# KiCad board 8851_HW-U1-VCU118_REV2-0_071417.kicad_pcb (continued)
## Routing (per net, layer and track width the routed paths; a pad name or vN(x,y) marks a point on that pad's centre or on a via; arc(x,y) is an arc through that point) (continued)
FMCP_HSPC_HA07_P: length 186.6
  TOP w0.102: J22.J9 v3(95.25,165.75) ; v2(113.42,54.96) 113.91,55.46
  18_SIG6 w0.075: 123.29,88.85 123.26,88.85 123.22,88.9 123.1,88.9 122.76,88.55 122.76,88.06 122.89,87.93 122.89,86 122.85,85.96 122.85,83.28 122.89,83.24 122.89,80.93 122.87,80.91 122.87,72.38 122.58,72.09 118.17,72.09 117.95,71.87 117.95,55.69 117.62,55.36 113.13,55.36 113.04,55.26 113.04,55.08 113.15,54.96 v2(113.42,54.96)
  18_SIG6 w0.087: 123.29,88.85 123.75,88.85 124.33,89.43 124.33,101.74 124.56,101.97 124.56,105.83 125.58,106.84 125.58,107.6 124.68,108.5 124.68,125.52 120.62,129.58 120.62,131.27 121,131.65 121,135.11 120.71,135.4 119.85,135.4 119.72,135.53 119.72,136.06 119.85,136.19 120.71,136.19 121,136.49 121,136.89 119.45,138.45 113.06,138.45 112.88,138.62 112.88,140.53 112.59,140.83 111.85,140.83 111.72,140.96 111.72,141.49 111.85,141.62 112.59,141.62 112.88,141.92 112.88,142.67 112.59,142.97 111.85,142.97 111.72,143.1 111.72,143.63 111.85,143.76 112.59,143.76 112.88,144.06 112.88,144.81 112.59,145.11 111.85,145.11 111.72,145.24 111.72,145.77 111.85,145.9 112.59,145.9 112.88,146.2 112.88,156.64 112.53,156.99 111.93,156.99 111.57,156.63 111.57,148.16 110.19,146.78 105.22,146.78 105.09,146.91 105.09,149.32 104.79,149.62 104.03,149.62 103.74,149.32 103.74,146.91 103.61,146.78 103.08,146.78 102.95,146.91 102.95,149.32 102.65,149.62 101.89,149.62 101.6,149.32 101.6,146.91 101.47,146.78 100.66,146.78 100.23,147.2 100.23,148.64 99.2,149.67 96.96,149.67 96.01,150.62 96.01,161.15 95.64,161.51 95.05,161.51 94.76,161.8 94.76,165.26 v3(95.25,165.75)
FMCP_HSPC_HA08_N: length 183.7
  TOP w0.102: v2(108.5,52.01) 108.99,52.5 ; J22.F11 v3(92.75,162)
  20_SIG7 w0.075: v2(108.5,52.01) 108.74,52.01 108.85,52.12 108.85,52.35 109.11,52.61 112.01,52.61 117.52,52.61 117.75,52.84 117.75,52.92 117.75,52.92 117.75,72.92 118.1,73.27 121.45,73.27 121.69,73.51 121.69,73.67 121.69,73.67 121.69,76.88 122.02,77.21 131.31,77.21 131.55,77.45 131.55,85.16 131.51,85.19 131.51,87.84 131.55,87.87 131.55,88.32 131.49,88.38
  20_SIG7 w0.087: 131.49,88.38 131.49,89.58 134.83,92.92 134.83,99.45 135.68,100.29 135.68,107.66 134.32,109.01 134.32,111.28 135.28,112.24 135.28,124.14 136.02,124.89 136.02,129.92 133.33,132.62 133.33,138.73 124.31,147.74 109.03,147.74 108.66,148.11 108.66,149.33 108.53,149.46 108,149.46 107.87,149.33 107.87,148.11 107.58,147.82 106.82,147.82 106.52,148.11 106.52,149.39 106.39,149.52 105.86,149.52 105.73,149.39 105.73,148.11 105.44,147.82 104.59,147.82 102.23,150.18 96.77,150.18 96.54,150.41 96.54,151.62 96.45,151.71 96.19,151.71 96.08,151.61 96.08,150.42 95.84,150.18 95.34,150.18 95.1,150.42 95.1,152.28 95.01,152.36 94.75,152.36 94.66,152.28 94.66,150.42 94.41,150.18 93.54,150.18 93.24,150.48 93.24,161.8 93.03,162 v3(92.75,162)
FMCP_HSPC_HA08_P: length 183.6
  TOP w0.102: v2(109.49,52.01) 109.98,52.5 ; J22.F10 v3(94,162)
  20_SIG7 w0.075: 131.77,88.38 131.75,88.35 131.75,87.79 131.71,87.76 131.71,85.27 131.75,85.24 131.75,77.37 131.39,77.02 122.1,77.02 121.89,76.8 121.89,73.43 121.53,73.07 118.18,73.07 117.95,72.84 117.95,53 117.95,52.76 117.6,52.41 111.93,52.41 109.19,52.41 109.05,52.27 109.05,52.12 109.16,52.01 v2(109.49,52.01)
  20_SIG7 w0.087: v3(94,162) 93.51,161.51 93.51,150.59 93.65,150.45 94.3,150.45 94.38,150.54 94.38,152.39 94.63,152.64 95.12,152.64 95.37,152.39 95.37,150.54 95.46,150.45 95.72,150.45 95.81,150.54 95.81,151.72 96.07,151.98 96.56,151.98 96.81,151.73 96.81,150.52 96.88,150.45 102.34,150.45 104.7,148.09 105.32,148.09 105.45,148.22 105.45,149.5 105.75,149.79 106.51,149.79 106.8,149.5 106.8,148.22 106.93,148.09 107.46,148.09 107.59,148.22 107.59,149.44 107.89,149.74 108.65,149.74 108.94,149.44 108.94,148.22 109.14,148.02 124.42,148.02 133.6,138.84 133.6,132.73 136.3,130.03 136.3,124.77 135.56,124.03 135.56,112.13 134.6,111.17 134.6,109.13 135.95,107.77 135.95,100.17 135.11,99.33 135.11,92.8 131.77,89.47 131.77,88.38
FMCP_HSPC_HA09_N: length 188
  TOP w0.102: v2(110.47,54.96) 110.96,55.46 ; J22.E10 v3(94,160.75)
  18_SIG6 w0.075: 121.64,88.2 121.64,88.19 121.67,88.15 121.67,85.86 121.7,85.82 121.7,83.27 121.67,83.24 121.67,81.16 121.69,81.14 121.69,73.49 121.48,73.27 117.06,73.27 116.73,72.94 116.73,57.21 116.06,56.54 112.17,56.54 111.85,56.22 111.85,55.64 111.74,55.54 111.17,55.54 110.97,55.33 110.97,55.04 110.89,54.96 v2(110.47,54.96)
  18_SIG6 w0.087: v3(94,160.75) 94.06,160.81 94.34,160.81 94.49,160.66 94.49,150.47 93.54,149.53 90.32,149.53 89.94,149.15 89.94,148.45 90.4,147.99 96.12,147.99 96.64,147.47 96.64,147.28 96.2,146.83 96.2,146.42 97.03,145.58 97.88,145.58 98.17,145.87 98.17,148.21 98.3,148.35 98.83,148.35 98.97,148.21 98.97,145.87 99.26,145.58 103.82,145.58 103.96,145.44 103.96,143.08 104.25,142.78 105.01,142.78 105.3,143.08 105.3,145.44 105.43,145.58 105.96,145.58 106.1,145.44 106.1,140.52 106.41,140.21 107.16,140.21 107.44,140.48 107.44,145.44 107.57,145.58 108.1,145.58 108.24,145.44 108.24,140.52 108.49,140.27 109.24,140.27 109.58,140.61 109.58,145.44 109.71,145.58 110.29,145.58 110.49,145.38 110.49,140.18 111.09,139.58 111.09,136.2 116.71,130.58 117.12,130.58 118.97,132.43 119.24,132.43 119.56,132.11 119.56,131.89 117.69,130.02 117.69,129.6 118.22,129.07 118.64,129.07 118.97,129.4 119.16,129.4 119.53,129.03 119.53,128.84 119.2,128.5 119.2,128.09 119.73,127.55 120.15,127.55 120.48,127.89 120.67,127.89 121.05,127.51 121.05,127.33 120.71,126.99 120.71,126.58 121.25,126.04 121.66,126.04 122,126.37 122.19,126.37 123.45,125.11 123.45,107.96 123.92,107.49 123.92,106.95 123.42,106.45 123.42,102.52 123.09,102.19 123.09,90.13 121.64,88.67 121.64,88.2
FMCP_HSPC_HA09_P: length 187.5
  TOP w0.102: J22.E9 v3(95.25,160.75) ; v2(111.45,54.96) 111.95,55.46
  18_SIG6 w0.075: 121.91,88.2 121.91,88.17 121.87,88.13 121.87,85.94 121.9,85.9 121.9,83.19 121.87,83.16 121.87,81.24 121.89,81.22 121.89,73.41 121.56,73.08 117.14,73.08 116.93,72.86 116.93,57.13 116.14,56.34 112.25,56.34 112.04,56.13 112.04,55.56 111.82,55.34 111.25,55.34 111.16,55.25 111.16,55.06 111.26,54.96 v2(111.45,54.96)
  18_SIG6 w0.087: v3(95.25,160.75) 94.76,160.26 94.76,150.36 93.66,149.25 90.43,149.25 90.21,149.03 90.21,148.57 90.52,148.26 96.24,148.26 96.92,147.58 96.92,147.17 96.47,146.72 96.47,146.53 97.15,145.85 97.76,145.85 97.9,145.98 97.9,148.33 98.19,148.62 98.95,148.62 99.24,148.33 99.24,145.98 99.37,145.85 103.94,145.85 104.23,145.56 104.23,143.19 104.36,143.06 104.89,143.06 105.03,143.19 105.03,145.56 105.32,145.85 106.08,145.85 106.37,145.56 106.37,140.63 106.52,140.48 107.05,140.48 107.17,140.6 107.17,145.56 107.46,145.85 108.22,145.85 108.51,145.56 108.51,140.64 108.6,140.55 109.13,140.55 109.31,140.73 109.31,145.56 109.6,145.85 110.4,145.85 110.76,145.49 110.76,140.29 111.37,139.69 111.37,136.31 116.82,130.85 117.01,130.85 118.86,132.71 119.35,132.71 119.83,132.22 119.83,131.78 117.96,129.9 117.96,129.72 118.34,129.34 118.52,129.34 118.86,129.68 119.27,129.68 119.81,129.14 119.81,128.73 119.47,128.39 119.47,128.2 119.85,127.83 120.04,127.83 120.37,128.16 120.79,128.16 121.32,127.63 121.32,127.21 120.99,126.88 120.99,126.69 121.36,126.31 121.55,126.31 121.88,126.65 122.3,126.65 123.72,125.23 123.72,108.08 124.2,107.6 124.2,106.84 123.7,106.34 123.7,102.41 123.37,102.08 123.37,90.02 121.91,88.56 121.91,88.2
FMCP_HSPC_HA10_N: length 189.6
  TOP w0.102: J22.K14 v3(89,167) ; v2(109.49,56.93) 109.98,57.42 109.98,57.42
  18_SIG6 w0.075: 119.67,88.25 119.67,88.23 119.7,88.2 119.7,85.91 119.74,85.88 119.74,83.28 119.7,83.24 119.7,81.06 119.72,81.04 119.72,75.42 119.54,75.24 115.13,75.24 114.8,74.9 114.8,58.72 114.59,58.5 110.17,58.5 109.88,58.21 109.88,57.33 v2(109.49,56.93)
  18_SIG6 w0.087: 119.67,88.25 119.67,89.28 121.28,90.88 121.28,101.19 120.36,102.1 120.36,103.05 121.02,103.71 121.02,105.19 120.88,105.32 120.52,105.32 120.22,105.61 120.22,106.37 120.52,106.66 120.88,106.66 121.02,106.8 121.02,107.33 120.45,107.89 120.45,108.74 121.6,109.89 121.6,122.31 120.51,123.4 120.51,124.12 115.54,129.09 114.29,129.09 99.72,143.66 96.42,143.66 94.08,146 75.98,146 75.5,146.48 75.5,147.58 75.12,147.95 74.75,147.95 74.46,148.24 74.46,148.76 74.33,148.9 73.93,148.9 73.8,148.76 73.8,148.24 73.5,147.95 72.7,147.95 72.33,148.32 72.33,149.11 74.75,151.53 75.62,151.53 75.91,151.23 75.91,149.28 76.04,149.15 76.57,149.15 76.71,149.28 76.71,151.23 77,151.53 77.76,151.53 78.05,151.23 78.05,149.28 78.18,149.15 78.71,149.15 78.85,149.28 78.85,151.23 79.23,151.62 91.73,151.62 91.99,151.88 91.99,163.46 91.71,163.74 89.83,163.74 89.49,164.08 89.49,166.51 v3(89,167)
FMCP_HSPC_HA10_P: length 190
  TOP w0.102: 110.96,57.42 110.96,57.42 v2(110.47,56.93) ; J22.K13 v3(90.25,167)
  18_SIG6 w0.075: v2(110.47,56.93) 110.16,56.93 110.07,57.02 110.07,58.13 110.25,58.31 114.67,58.31 114.99,58.64 114.99,74.82 115.21,75.04 119.62,75.04 119.92,75.34 119.92,81.13 119.9,81.15 119.9,83.16 119.94,83.2 119.94,85.96 119.9,85.99 119.9,88.18 119.95,88.23 119.95,88.25
  18_SIG6 w0.087: 119.95,88.25 119.95,89.17 121.55,90.77 121.55,101.3 120.64,102.22 120.64,102.94 121.29,103.59 121.29,105.3 121,105.59 120.63,105.59 120.5,105.73 120.5,106.26 120.63,106.39 121,106.39 121.29,106.68 121.29,107.44 120.72,108.01 120.72,108.62 121.88,109.77 121.88,122.43 120.78,123.52 120.78,124.24 115.65,129.37 114.4,129.37 99.84,143.94 96.53,143.94 94.19,146.27 76.09,146.27 75.78,146.59 75.78,147.69 75.24,148.23 74.87,148.23 74.73,148.36 74.73,148.88 74.44,149.17 73.81,149.17 73.52,148.88 73.52,148.36 73.39,148.23 72.81,148.23 72.61,148.43 72.61,148.99 74.86,151.25 75.5,151.25 75.64,151.12 75.64,149.17 75.93,148.88 76.69,148.88 76.98,149.17 76.98,151.12 77.11,151.25 77.64,151.25 77.78,151.12 77.78,149.17 78.07,148.88 78.83,148.88 79.12,149.17 79.12,151.12 79.34,151.34 91.84,151.34 92.26,151.76 92.26,163.58 91.83,164.01 89.94,164.01 89.76,164.19 89.76,166.87 89.89,167 v3(90.25,167)
FMCP_HSPC_HA11_N: length 188.6
  TOP w0.102: J22.J13 v3(90.25,165.75) ; v2(106.53,52.99) 107.02,53.49
  20_SIG7 w0.075: 133.73,88.07 133.68,88.03 133.68,85.21 133.72,85.17 133.72,82.98 133.7,82.96 133.7,75.36 133.39,75.05 124.04,75.05 123.85,74.86 123.85,71.42 123.54,71.11 120.14,71.11 119.92,70.89 119.92,50.77 119.58,50.44 107.2,50.44 106.93,50.71 106.93,52.6 v2(106.53,52.99)
  20_SIG7 w0.087: 133.73,88.07 133.73,88.91 136.99,92.17 136.99,98.45 137.99,99.45 137.99,108.05 139.6,109.66 139.6,111.99 139.26,112.32 139.26,122 140.73,123.47 140.73,128.28 135.67,133.34 135.67,139.22 125.14,149.74 118.81,149.74 116.06,152.49 100.16,152.49 99.76,152.89 99.76,163.54 99.28,164.01 92.5,164.01 92.26,164.26 92.26,166.16 91.91,166.51 91.01,166.51 v3(90.25,165.75)
FMCP_HSPC_HA11_P: length 188.2
  TOP w0.102: J22.J12 v3(91.5,165.75) ; v2(107.52,52.99) 108.01,53.49
  20_SIG7 w0.075: 133.45,88.07 133.45,88.06 133.48,88.03 133.48,85.13 133.52,85.09 133.52,83.06 133.5,83.04 133.5,75.44 133.31,75.24 123.96,75.24 123.66,74.94 123.66,71.5 123.46,71.31 120.06,71.31 119.72,70.97 119.72,50.85 119.5,50.63 107.28,50.63 107.12,50.79 107.12,52.99 107.25,53.12 107.39,53.12 v2(107.52,52.99)
  20_SIG7 w0.087: v3(91.5,165.75) 91.22,165.48 91,165.48 90.9,165.58 90.9,166.01 91.13,166.24 91.79,166.24 91.99,166.05 91.99,164.14 92.39,163.74 99.17,163.74 99.49,163.42 99.49,152.77 100.05,152.21 115.95,152.21 118.69,149.47 125.02,149.47 135.39,139.1 135.39,133.23 140.46,128.16 140.46,123.59 138.99,122.12 138.99,112.21 139.33,111.87 139.33,109.78 137.72,108.17 137.72,99.57 136.71,98.56 136.71,92.28 133.45,89.02 133.45,88.07
FMCP_HSPC_HA12_N: length 189.2
  TOP w0.102: v2(108.5,55.95) 108.99,56.44 ; J22.F14 v3(89,162)
  18_SIG6 w0.075: v2(108.5,55.95) 108.5,56.26 108.59,56.35 108.84,56.35 109.09,56.6 109.09,59.09 109.3,59.29 113.69,59.29 114.01,59.61 114.01,75.84 114.2,76.03 118.63,76.03 118.95,76.35 118.95,83.22 118.92,83.25 118.92,85.9 118.95,85.93 118.95,88.1 118.99,88.13 118.99,88.16
  18_SIG6 w0.087: v3(89,162) 89.76,162.76 90.58,162.76 91,162.34 91,162.33 91.01,162.32 91.01,152.76 90.5,152.25 74.28,152.25 70.23,148.2 70.23,145.48 70.47,145.24 71.13,145.24 71.3,145.41 71.3,147.08 71.6,147.38 72.36,147.38 72.64,147.1 72.64,145.41 72.78,145.28 73.31,145.28 73.44,145.41 73.44,147.03 73.74,147.33 74.5,147.33 74.78,147.04 74.78,145.5 74.92,145.36 93.87,145.36 96.22,143.01 99.54,143.01 114.11,128.44 115.21,128.44 119.72,123.93 119.72,122.37 119.81,122.28 120.21,122.28 120.58,121.92 120.58,121.54 120.25,121.21 119.81,121.21 119.72,121.12 119.72,120.77 119.81,120.68 120.48,120.68 120.72,120.43 120.72,119.86 120.48,119.61 119.81,119.61 119.72,119.52 119.72,119.17 119.81,119.08 120.48,119.08 120.72,118.83 120.72,118.26 120.48,118.01 119.81,118.01 119.72,117.92 119.72,116.85 120.58,116 120.58,109.85 119.58,108.85 119.58,101.51 120.2,100.88 120.2,99.79 119.53,99.12 119.53,98.54 120.2,97.87 120.2,96.09 120.46,95.83 120.46,91.08 118.99,89.61 118.99,88.16 118.99,88.16
FMCP_HSPC_HA12_P: length 188.4
  TOP w0.102: v2(108.5,56.93) 108.99,57.42 108.99,57.42 ; J22.F13 v3(90.25,162)
  18_SIG6 w0.075: v2(108.5,56.93) 108.5,56.62 108.58,56.55 108.76,56.55 108.9,56.68 108.9,59.17 109.22,59.49 113.61,59.49 113.82,59.69 113.82,75.92 114.12,76.22 118.55,76.22 118.76,76.43 118.76,83.14 118.72,83.17 118.72,85.98 118.76,86.01 118.76,88.11 118.71,88.15
  18_SIG6 w0.087: 118.71,88.15 118.71,88.15 118.71,89.73 120.18,91.2 120.18,95.72 119.93,95.97 119.93,97.76 119.23,98.45 119.23,99.21 119.93,99.91 119.93,100.77 119.3,101.39 119.3,108.97 120.3,109.96 120.3,115.89 119.45,116.74 119.45,118.03 119.7,118.28 120.36,118.28 120.45,118.37 120.45,118.72 120.36,118.81 119.7,118.81 119.45,119.06 119.45,119.63 119.7,119.88 120.36,119.88 120.45,119.97 120.45,120.32 120.36,120.41 119.7,120.41 119.45,120.66 119.45,121.23 119.7,121.48 120.13,121.48 120.3,121.65 120.3,121.81 120.1,122.01 119.7,122.01 119.45,122.26 119.45,123.81 115.1,128.16 114,128.16 99.42,142.74 96.11,142.74 93.76,145.08 74.81,145.08 74.51,145.38 74.51,146.93 74.38,147.06 73.85,147.06 73.71,146.92 73.71,145.29 73.42,145 72.66,145 72.37,145.29 72.37,146.98 72.25,147.11 71.72,147.11 71.57,146.97 71.57,145.29 71.25,144.97 70.35,144.97 69.95,145.37 69.95,148.31 74.16,152.53 90.39,152.53 90.74,152.88 90.74,162.2 90.73,162.21 90.73,162.23 90.46,162.49 89.88,162.49 89.62,162.24 89.62,162.08 89.7,162 v3(90.25,162)
FMCP_HSPC_HA13_N: length 184.1
  TOP w0.102: v2(109.49,52.99) 109.98,53.49 ; J22.E13 v3(90.25,160.75)
  20_SIG7 w0.075: 130.78,88.3 130.75,88.27 130.75,87.87 130.76,87.86 130.76,85.78 130.73,85.74 130.73,78.3 130.42,78 121.13,78 120.9,77.77 120.9,74.39 120.57,74.06 117.2,74.06 117.19,74.05 117.18,74.05 116.73,73.6 116.73,73.52 116.73,54.2 115.92,53.39 109.88,53.39 v2(109.49,52.99)
  20_SIG7 w0.087: 130.78,88.3 130.78,89.83 134.19,93.24 134.19,99.84 135.07,100.72 135.07,107.12 133.29,108.91 133.29,111.21 134.38,112.3 134.38,124.57 135.25,125.43 135.25,126.52 134.35,127.41 134.35,128.8 134.75,129.2 134.75,130.19 129.33,135.61 129.33,141.82 126.66,144.49 125.64,144.49 123,147.13 117.71,147.13 117.41,146.83 117.41,146.33 117.28,146.19 116.75,146.19 116.62,146.33 116.62,146.83 116.32,147.13 104.3,147.13 102.93,148.5 101.48,148.5 101.35,148.63 101.35,149.18 101.05,149.48 100.43,149.48 100.13,149.18 100.13,148.63 100,148.5 99.6,148.5 99.47,148.63 99.47,149.18 99.18,149.48 98.55,149.48 98.26,149.18 98.26,148.63 98.13,148.5 97.73,148.5 97.6,148.63 97.6,149.18 97.3,149.48 96.68,149.48 96.38,149.18 96.38,148.63 96.25,148.5 95.85,148.5 95.72,148.63 95.72,149.18 95.43,149.48 94.8,149.48 94.51,149.18 94.51,148.63 94.38,148.5 93.98,148.5 93.85,148.63 93.85,149.18 93.55,149.48 92.93,149.48 92.63,149.18 92.63,148.63 92.5,148.5 92.28,148.5 91.23,149.55 91.23,149.74 92.38,150.88 92.38,151.3 91.93,151.74 91.52,151.74 90.37,150.59 90.18,150.59 89.76,151.01 89.76,161.05 89.96,161.24 90.62,161.24 90.9,160.97 90.9,160.85 90.8,160.75 v3(90.25,160.75)
FMCP_HSPC_HA13_P: length 184
  TOP w0.102: J22.E12 v3(91.5,160.75) ; v2(110.47,53.98) 110.96,54.47
  20_SIG7 w0.075: v2(110.47,53.98) 110.25,53.98 110.17,53.9 110.17,53.66 110.25,53.58 115.84,53.58 116.53,54.28 116.53,73.43 116.53,73.68 117.1,74.25 117.11,74.25 117.12,74.25 120.49,74.25 120.71,74.47 120.71,77.86 121.05,78.2 130.34,78.2 130.53,78.39 130.53,85.82 130.57,85.86 130.57,87.78 130.55,87.79 130.55,88.25 130.5,88.3
  20_SIG7 w0.087: 130.5,88.3 130.5,89.94 133.92,93.36 133.92,99.95 134.8,100.84 134.8,107.01 133.01,108.8 133.01,111.32 134.11,112.41 134.11,124.68 134.97,125.55 134.97,126.4 134.07,127.3 134.07,128.91 134.47,129.31 134.47,130.08 129.05,135.5 129.05,141.7 126.54,144.21 125.53,144.21 122.89,146.85 117.82,146.85 117.69,146.72 117.69,146.21 117.39,145.92 116.64,145.92 116.34,146.21 116.34,146.72 116.21,146.85 104.19,146.85 102.81,148.23 101.36,148.23 101.07,148.52 101.07,149.07 100.94,149.2 100.54,149.2 100.41,149.07 100.41,148.52 100.11,148.23 99.49,148.23 99.2,148.52 99.2,149.07 99.06,149.2 98.67,149.2 98.53,149.07 98.53,148.52 98.24,148.23 97.61,148.23 97.32,148.52 97.32,149.07 97.19,149.2 96.79,149.2 96.66,149.07 96.66,148.52 96.36,148.23 95.74,148.23 95.45,148.52 95.45,149.07 95.31,149.2 94.92,149.2 94.78,149.07 94.78,148.52 94.49,148.23 93.86,148.23 93.57,148.52 93.57,149.07 93.44,149.2 93.04,149.2 92.91,149.07 92.91,148.52 92.61,148.23 92.16,148.23 90.95,149.43 90.95,149.85 92.1,151 92.1,151.19 91.82,151.47 91.63,151.47 90.48,150.32 90.07,150.32 89.49,150.9 89.49,161.16 89.84,161.51 90.74,161.51 v3(91.5,160.75)
FMCP_HSPC_HA14_N: length 185
  TOP w0.102: v2(103.58,52.01) 104.07,52.5 ; J22.J16 v3(86.5,165.75)
  18_SIG6 w0.075: v2(103.58,52.01) 103.86,52.01 103.98,52.12 103.98,53.28 104.28,53.58 106.71,53.58 106.92,53.79 106.92,61.13 107.25,61.46 111.63,61.46 111.85,61.67 111.85,77.9 112.14,78.19 115.57,78.19 116.7,79.32 116.7,88.12 116.66,88.16 116.66,88.19
  18_SIG6 w0.087: 116.66,88.19 116.66,91.38 118.31,93.04 118.31,94.88 116.82,96.37 116.82,100.48 117.28,100.94 117.28,109.86 117.29,109.87 117.29,123.12 115.51,124.9 115.14,124.9 113.79,126.25 113.26,126.25 98.64,140.87 95.49,140.87 93.11,143.25 74.46,143.25 72.6,141.38 70.84,141.38 69.85,142.37 69.85,142.54 69.21,143.18 68.8,143.18 67.31,144.67 67.31,148.3 70.74,151.73 70.74,154.8 71.21,155.26 86.67,155.26 86.99,155.58 86.99,165.62 86.85,165.75 v3(86.5,165.75)
FMCP_HSPC_HA14_P: length 184.8
  TOP w0.102: v2(104.56,52.01) 105.06,52.5 ; J22.J15 v3(87.75,165.75)
  18_SIG6 w0.075: 116.94,88.19 116.94,88.16 116.89,88.12 116.89,79.24 115.65,78 112.22,78 112.04,77.82 112.04,61.59 111.71,61.26 107.34,61.26 107.12,61.05 107.12,53.71 106.8,53.39 104.36,53.39 104.17,53.2 104.17,52.12 104.28,52.01 v2(104.56,52.01)
  18_SIG6 w0.087: 116.94,88.19 116.94,91.27 118.59,92.92 118.59,94.99 117.1,96.49 117.1,100.37 117.56,100.83 117.56,109.75 117.56,109.75 117.56,123.24 115.62,125.17 115.25,125.17 113.9,126.52 113.38,126.52 98.75,141.15 95.6,141.15 93.22,143.52 74.35,143.52 72.48,141.66 70.95,141.66 70.12,142.49 70.12,142.65 69.33,143.45 68.92,143.45 67.59,144.78 67.59,148.19 71.01,151.61 71.01,154.68 71.32,154.99 86.78,154.99 87.26,155.47 87.26,165.26 v3(87.75,165.75)
FMCP_HSPC_HA15_N: length 187.2
  TOP w0.102: v2(104.56,52.99) 105.06,53.49 ; J22.F17 v3(85.25,162)
  20_SIG7 w0.075: 125.58,88.33 125.58,88.32 125.61,88.29 125.61,87.6 125.61,87.6 125.61,87.29 125.61,87.29 125.61,86.62 125.61,86.62 125.61,86.3 125.61,86.3 125.61,85.63 125.61,85.63 125.61,85.21 125.65,85.17 125.65,81.4 125.38,81.13 118.1,81.13 117.76,80.79 117.76,80.38 117.54,80.16 116.85,80.16 116.42,79.73 116.42,76.52 116.12,76.23 114.16,76.23 113.82,75.89 113.82,58.63 113.69,58.51 105.28,58.51 104.96,58.18 104.96,55.67 104.84,55.55 104.22,55.55 103.97,55.3 103.97,53.59 104.22,53.35 104.48,53.35 104.56,53.27 v2(104.56,52.99)
  20_SIG7 w0.087: v3(85.25,162) 85.57,162 85.62,161.95 85.62,161.81 85.31,161.49 84.93,161.49 84.49,161.05 84.49,151.65 85.22,150.91 85.22,150.57 85.52,150.27 85.97,150.27 86.1,150.14 86.1,149.61 85.97,149.48 85.52,149.48 85.22,149.18 85.22,145.41 85.5,145.13 86.49,145.13 86.78,145.43 86.78,148.64 86.91,148.78 87.44,148.78 87.57,148.64 87.57,147.59 87.87,147.29 88.97,147.29 89.1,147.16 89.1,146.63 88.97,146.5 87.87,146.5 87.57,146.2 87.57,145.43 87.87,145.13 95.3,145.13 96.71,143.73 113.04,143.73 114.41,142.35 117.79,142.35 122.33,137.81 122.33,136.59 122.62,136.3 123.04,136.3 123.17,136.17 123.17,135.64 123.04,135.51 122.62,135.51 122.33,135.21 122.33,134.56 122.7,134.19 124.25,134.19 124.53,133.9 124.53,133.43 126.29,131.68 128.41,131.68 130.8,129.29 130.8,126.39 130.07,125.66 130.07,120.66 130.47,120.26 130.47,115.43 128.45,113.4 128.45,112.82 130.07,111.2 130.07,103.89 131.12,102.84 131.12,101.98 129.92,100.77 129.92,96.79 128.88,95.76 128.88,92.21 125.58,88.9 125.58,88.33
FMCP_HSPC_HA15_P: length 187.3
  TOP w0.102: v2(104.56,53.98) 105.06,54.47 ; J22.F16 v3(86.5,162)
  20_SIG7 w0.075: 125.85,88.33 125.85,88.32 125.8,88.27 125.8,87.68 125.8,87.68 125.8,87.21 125.8,87.21 125.8,86.7 125.8,86.7 125.8,86.22 125.8,86.22 125.8,85.71 125.8,85.71 125.8,85.29 125.84,85.25 125.84,81.32 125.46,80.93 118.18,80.93 117.96,80.71 117.96,80.3 117.62,79.96 116.93,79.96 116.61,79.64 116.61,76.44 116.4,76.23 116.4,76.23 116.2,76.03 114.24,76.03 114.01,75.81 114.01,58.55 113.77,58.31 105.36,58.31 105.15,58.1 105.15,55.59 104.92,55.36 104.31,55.36 104.17,55.22 104.17,53.67 104.3,53.54 104.59,53.54 104.7,53.65 104.7,53.85 v2(104.56,53.98)
  20_SIG7 w0.087: v3(86.5,162) 86.21,162 85.42,161.22 85.04,161.22 84.76,160.94 84.76,151.76 85.5,151.03 85.5,150.68 85.63,150.55 86.08,150.55 86.38,150.25 86.38,149.5 86.08,149.2 85.63,149.2 85.5,149.07 85.5,145.53 85.62,145.41 86.37,145.41 86.5,145.54 86.5,148.76 86.8,149.05 87.56,149.05 87.85,148.76 87.85,147.7 87.98,147.57 89.08,147.57 89.38,147.27 89.38,146.52 89.08,146.22 87.98,146.22 87.85,146.09 87.85,145.54 87.98,145.41 95.41,145.41 96.82,144 113.15,144 114.53,142.62 117.9,142.62 122.6,137.93 122.6,136.71 122.73,136.58 123.16,136.58 123.45,136.28 123.45,135.52 123.16,135.23 122.73,135.23 122.6,135.1 122.6,134.67 122.81,134.46 124.36,134.46 124.81,134.02 124.81,133.54 126.4,131.95 128.53,131.95 131.07,129.4 131.07,126.27 130.35,125.55 130.35,120.77 130.75,120.38 130.75,115.31 128.72,113.29 128.72,112.94 130.35,111.31 130.35,104 131.4,102.95 131.4,101.86 130.19,100.65 130.19,96.68 129.16,95.64 129.16,92.09 125.85,88.79 125.85,88.33
FMCP_HSPC_HA16_N: length 187.7
  TOP w0.102: v2(107.52,53.98) 108.01,54.47 ; J22.E16 v3(86.5,160.75)
  20_SIG7 w0.075: v2(107.52,53.98) 107.9,54.36 107.9,55.29 108.16,55.55 115.62,55.55 115.89,55.82 115.89,74.23 116.9,75.24 119.5,75.24 119.72,75.45 119.72,78.83 120.06,79.18 129.35,79.18 129.58,79.41 129.58,86.05 129.55,86.08 129.55,87.29 129.55,87.78 129.67,87.91 129.67,88.19 129.63,88.24
  20_SIG7 w0.087: 129.63,88.24 129.63,90.36 133,93.74 133,94.91 132.91,94.99 132.01,94.99 131.76,95.24 131.76,95.73 132.01,95.98 132.91,95.98 133,96.07 133,98.79 132.6,99.19 132.6,100.28 133.6,101.28 133.6,104.3 132.04,105.86 132.04,113.27 133.1,114.33 133.1,124.48 132.82,124.76 132.82,126.19 132.94,126.31 132.94,126.32 133.03,126.41 133.03,130.11 129.66,133.47 127.99,133.47 127.67,133.79 127.67,140.4 126.97,141.09 126.97,141.51 127.4,141.94 127.4,142.13 127.03,142.51 126.84,142.51 126.41,142.07 125.99,142.07 123.79,144.27 123.25,144.27 122.96,144.57 122.96,145.56 122.7,145.82 122.28,145.82 122.16,145.7 122.16,143.34 121.47,142.65 120.38,142.65 119.95,143.08 119.95,145.87 119.84,145.98 119.31,145.98 119.15,145.82 119.15,144.57 118.86,144.27 116.8,144.27 115.15,145.92 102.14,145.92 101.85,146.22 101.85,147.15 101.72,147.28 101.19,147.28 101.05,147.15 101.05,145.77 100.79,145.51 100.01,145.51 99.71,145.82 99.71,147.15 99.58,147.28 99.05,147.28 98.91,147.15 98.91,146.27 98.56,145.92 97.53,145.92 97.08,146.37 97.08,146.72 97.22,146.86 97.22,146.99 97.03,147.17 96.91,147.17 96.77,147.03 96.42,147.03 96.18,147.28 91.66,147.28 86.99,151.95 86.99,160.66 86.9,160.75 v3(86.5,160.75)
FMCP_HSPC_HA16_P: length 187.9
  TOP w0.102: v2(108.5,54.96) 108.99,55.46 ; J22.E15 v3(87.75,160.75)
  20_SIG7 w0.075: v2(108.5,54.96) 108.5,54.68 108.42,54.61 108.22,54.61 108.09,54.73 108.09,55.21 108.24,55.36 115.7,55.36 116.08,55.74 116.08,74.15 116.98,75.04 119.58,75.04 119.92,75.37 119.92,78.75 120.15,78.98 129.43,78.98 129.78,79.33 129.78,86.13 129.74,86.17 129.74,87.7 129.87,87.83 129.87,88.2 129.9,88.23 129.9,88.24
  20_SIG7 w0.087: v3(87.75,160.75) 87.52,160.98 87.39,160.98 87.26,160.85 87.26,152.06 91.78,147.55 96.29,147.55 96.53,147.31 96.65,147.31 96.79,147.45 97.14,147.45 97.49,147.1 97.49,146.75 97.35,146.61 97.35,146.49 97.64,146.2 98.45,146.2 98.64,146.39 98.64,147.27 98.93,147.56 99.69,147.56 99.98,147.27 99.98,145.93 100.13,145.79 100.68,145.79 100.78,145.89 100.78,147.27 101.07,147.56 101.83,147.56 102.12,147.27 102.12,146.33 102.26,146.2 115.27,146.2 116.91,144.55 118.74,144.55 118.88,144.68 118.88,145.94 119.19,146.26 119.95,146.26 120.22,145.99 120.22,143.19 120.49,142.93 121.36,142.93 121.89,143.45 121.89,145.82 122.17,146.1 122.81,146.1 123.23,145.67 123.23,144.68 123.37,144.55 123.9,144.55 126.11,142.35 126.29,142.35 126.73,142.78 127.14,142.78 127.68,142.25 127.68,141.83 127.25,141.4 127.25,141.21 127.94,140.51 127.94,133.91 128.1,133.75 129.78,133.75 133.3,130.23 133.3,126.29 133.21,126.21 133.21,126.2 133.09,126.08 133.09,124.87 133.37,124.59 133.37,114.22 132.32,113.16 132.32,105.97 133.88,104.41 133.88,101.16 132.88,100.16 132.88,99.3 133.27,98.91 133.27,95.95 133.03,95.71 132.12,95.71 132.03,95.62 132.03,95.36 132.12,95.27 133.03,95.27 133.27,95.02 133.27,93.62 129.9,90.25 129.9,88.24
